# KiCad board radioboard_original.kicad_pcb (continued)
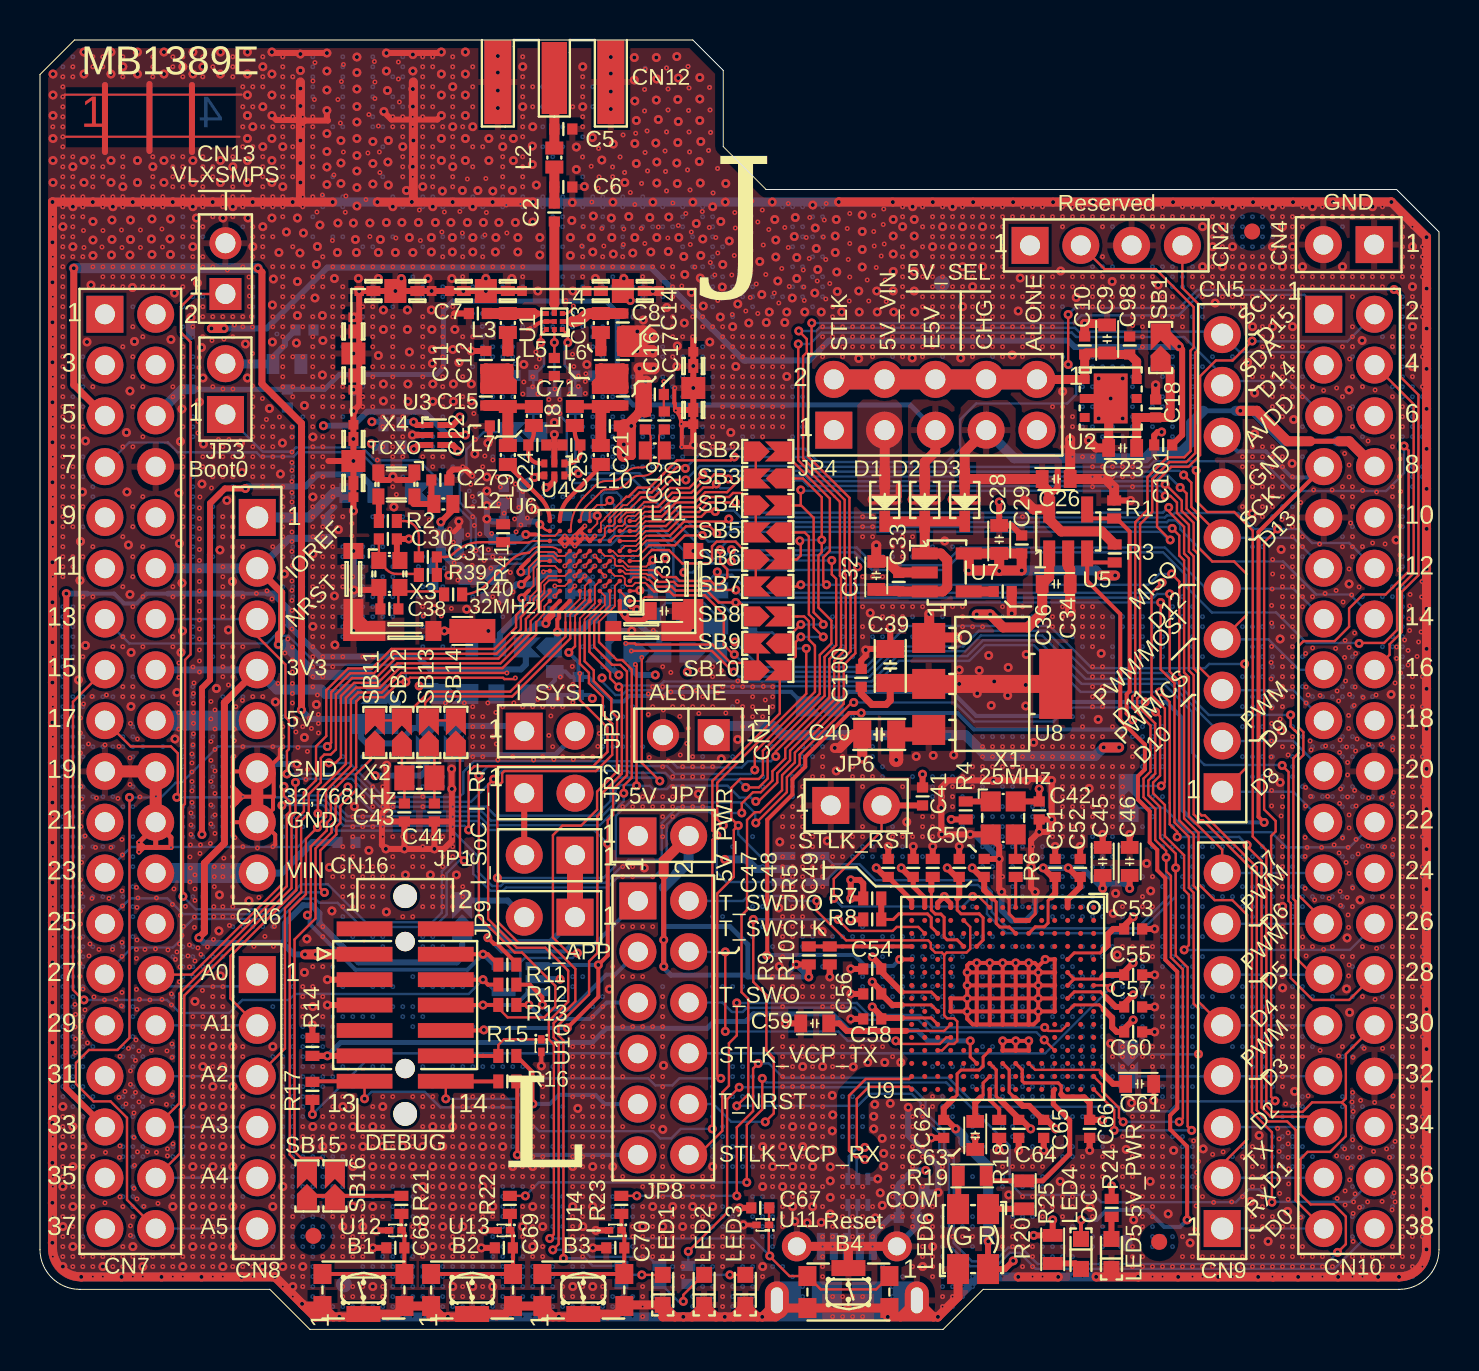
[diagram p0: board, top side]
## Routing (per net, layer and track width the routed paths; a pad name or vN(x,y) marks a point on that pad's centre or on a via; arc(x,y) is an arc through that point) (continued)
  Bottom Layer w0.12: CN10.5 62.46,47.42 59.35,47.42 CN5.9 59.13,47.72 57.23,49.62 51.83,49.62 51.61,49.84 39.08,49.84 38.51,49.27 v1(37.92,49.27) ; 31.58,28.4 31.87,28.1 35.1,28.1 35.41,28.41 36.56,28.41 36.81,28.65 ; 36.81,28.65 36.87,28.65 ; 36.81,28.65 v1(36.8,28.65) ; 31.58,28.41 21.71,28.41 21.17,27.88 21.17,26.81 20.98,26.62 17.18,26.62 15.48,28.33 v1(14.45,28.33)
PA12: length 99.8
  Top Layer w0.09: 24.82,35.36 25.05,35.59 25.05,35.62 25.23,35.8 25.23,36.15 U6.A9
  Top Layer w0.12: v1(37.95,49.92) 38.35,49.52 38.35,48.85 38.17,48.66 38.17,43.56 38.74,42.98 40.25,41.48 40.25,37.79 40.3,37.73 40.3,34.01 39.72,33.43 39.72,31.48 37.27,29.04 37.27,28.55 36.64,27.91 36.64,27.45 36.05,26.86 35.66,26.86 35.1,26.3 v1(35.1,25.82) ; v1(13.9,25.8) 13.9,26.87 15.3,28.27 15.3,31.58 15.81,32.09 17,32.09 17.98,33.06 23.13,33.06 24.82,34.75 24.82,35.36
  Bottom Layer w0.12: CN10.3 63.55,48.88 60,48.88 CN5.10 58.98,49.89 51.95,49.89 51.77,50.08 38.98,50.08 38.81,49.92 37.95,49.92 v1(37.95,49.92) ; v1(35.1,25.82) 33.89,25.82 33.6,26.11 31.89,26.11 31.1,25.33 31.1,23.64 30.94,23.48 29.42,23.48 28.28,22.33 23.21,22.33 23.04,22.17 22.62,22.17 21.9,22.88 21.9,23.66 20.62,24.94 14.76,24.94 v1(13.9,25.8)
PA13: length 57
  Top Layer w0.12: v1(13.38,20.71) 13.54,20.88 13.54,24.15 14.34,24.95 14.34,25.33 14.55,25.53 14.55,26.84 15.81,28.11 15.81,31.4 16.02,31.61 17.2,31.61 17.96,32.38 v1(18.3,32.38) 18.51,32.58 23.16,32.58 23.22,32.52 23.72,32.52 v2(23.78,32.57) ; v2(25.75,36.68) U6.B8
  Top Layer w0.2: R11.1 22.4,18.76 v1(22.16,18.76) CN16.4
  Signal Layer 1 w0.09: 24.45,35.37 v2(25.75,36.68)
  Signal Layer 1 w0.12: v2(23.77,32.57) 23.77,34.7 24.45,35.37
  Bottom Layer w0.12: v1(18.3,32.38) 18.3,32.92 17.99,33.24 13.86,33.24 12.42,34.68 11.73,34.68 11.35,34.3 4.47,34.3 CN7.13
  Bottom Layer w0.2: U16.5 22.75,18.16 v1(22.16,18.76) 21.38,17.98 15.78,17.98 13.49,20.27 13.49,20.6 v1(13.38,20.71)
PA14: length 68.8
  Top Layer w0.09: U6.A4 28,36.27 27.24,35.51 27.24,35.36
  Top Layer w0.12: v1(26.88,18.82) 26.43,18.82 25.65,19.6 25.65,24.71 26.13,25.19 27.06,25.19 27.86,25.99 27.86,26.89 28.86,27.89 28.86,30.61 28.58,30.9 28.58,31.54 27.7,32.42 27.7,32.95 27.24,33.41 27.24,35.36 ; CN7.15 1.65,31.38 1.65,16.97 2.2,16.42 v1(2.2,16.47)
  Top Layer w0.2: R12.1 22.41,17.24 v1(22.16,17.49) CN16.6
  Bottom Layer w0.12: 3.25,32.93 CN7.15 ; v1(26.88,18.82) 26.64,18.57 24.25,18.57 24.02,18.35 24.02,17.34 23.55,16.86 U16.4 22.78,16.86 v1(22.16,17.49) 21.44,16.77 12.75,16.77 12.45,16.47 10.12,16.47 9.47,15.82 7,15.82 6.35,16.47 v1(2.2,16.47)
PA15: length 62.6
  Top Layer w0.09: 27.72,35.36 27.72,35.42 28.5,36.2 U6.B3
  Top Layer w0.12: v1(28.39,24.29) 28.39,25.46 28.66,25.72 28.66,27.01 29.36,27.71 29.36,32.9 29.22,33.04 29.22,33.04 29.03,33.23 28.62,33.23 27.72,34.13 27.72,35.36 ; CN7.17 4.54,29.15 6.55,29.15 6.89,28.81 6.89,26.66 v1(6.84,26.61)
  Top Layer w0.2: v1(28.39,24.29) 28.39,18.69 v1(27.92,18.22) 27.92,16.62 v1(26.37,15.07) ; CN16.10 22.2,14.95
  Bottom Layer w0.12: v1(28.39,24.29) 27.71,24.97 22.34,24.97 21.89,25.42 15.29,25.42 15.15,25.56 14.25,26.46 12.5,26.46 12.35,26.61 v1(6.84,26.61)
  Bottom Layer w0.2: v1(22.2,14.97) 22.3,15.07 v1(26.37,15.07) ; v1(27.92,18.22) 24.95,18.22 U16.1
PB0: length 58.5
  Top Layer w0.12: v1(56.08,27.18) 56.26,27.36 56.26,31.04 55.59,31.71 55.59,36.82 v1(56.12,37.35) ; v2(26.75,38.67) U6.F6
  Signal Layer 1 w0.12: v1(33.87,37.88) 33.87,38.32 32.42,39.78 28.28,39.78 27.73,39.22 27.3,39.22 v2(26.75,38.67)
  Bottom Layer w0.12: SB30.2 56.08,27.17 ; 22.6,37.7 SB20.1 22.8,37.72 23.36,38.28 24.18,38.28 25.12,39.22 28.55,39.22 29.23,39.9 30.85,39.9 31.68,39.07 31.68,37.57 31.82,37.43 31.88,37.43 31.88,37.42 32.95,37.42 33.05,37.53 33.53,37.53 v1(33.87,37.88) 34.02,37.73 34.61,37.73 35.52,36.83 55.59,36.83 56.11,37.35 v1(56.12,37.35)
PB0_VDD_TCXO: length 5.6
  Top Layer w0.3: v1(20.05,40.38) 20.65,40.97 L12.2
  Bottom Layer w0.3: SB20.2 21.02,38.22 20.68,38.22 20.05,38.86 C79.2 ; C79.2 C77.1 v1(20.05,40.38) ; C79.2 19.65,38.47 C97.2
PB1: length 48.5
  Top Layer w0.12: v2(27,32.8) 27,31.47 28.38,30.09 28.38,28.87 27.67,28.16 21.73,28.16 21.44,27.88 v1(21.44,24.97) ; v1(12.1,26.2) 12.1,22.26 7.58,17.74 CN7.28 ; v2(26.25,38.17) U6.E7
  Signal Layer 1 w0.12: v2(26.25,38.17) 26.05,37.97 26.05,36.97 26.95,36.07 26.95,32.85 v2(27,32.8)
  Bottom Layer w0.12: v1(12.1,26.2) 12.09,26.21 12.09,26.22 14.15,26.22 15.19,25.18 21.23,25.18 v1(21.44,24.97) ; CN7.28 6.38,17.15 10.28,17.15 CN8.1
PB2: length 39.8
  Top Layer w0.09: U6.D8 25.75,38.17 25.03,38.17 24.86,38.01 24.86,36.97 24.51,36.61 24.51,36.41 24.45,36.35
  Top Layer w0.12: 24.45,36.35 23.81,35.71 23.81,35.11 22.73,34.02 17.58,34.02 16.6,33.05 15.41,33.05 14.32,31.96 14.32,29.67 13.81,29.15 13.81,27.46 13.2,26.85 13.2,25.91 12.82,25.53 12.82,21.96 9.52,18.66 9.52,16.54 CN8.2
  Bottom Layer w0.12: CN7.30 CN8.2 10.87,15.2
PB3: length 55.7
  Top Layer w0.09: U6.C1 29.68,37.6 30.26,37.6 30.38,37.48 30.47,37.48
  Top Layer w0.12: 36.07,35.82 SB8.1 35.7,35.65 35,36.35 v1(34.8,36.35) 33.94,36.35 33.35,36.94 31.79,36.94 31.6,37.14 30.81,37.14 30.47,37.48 ; v1(57.94,13.77) 57.94,16.05 57.7,16.29 57.7,21.84 57.46,22.08 57.46,24.64 56.74,25.36 56.74,32.31 56.05,33 v1(56.05,36.35)
  Bottom Layer w0.12: v1(57.94,13.77) 57.92,13.75 SB31.1 ; v1(34.8,36.35) v1(56.05,36.35)
PB4: length 55.8
  Top Layer w0.09: U6.C2 28.75,37.17 28.75,36.17 27.96,35.38 27.96,35.36
  Top Layer w0.12: v1(29.2,26.81) 29.2,27.19 29.6,27.58 29.6,33 29.12,33.47 28.85,33.47 27.96,34.36 27.96,35.36 ; v1(12.2,27.15) 12.2,26.67 12.51,26.37 12.51,25.89 12.34,25.72 12.34,22.16 6.97,16.79 6.97,11.31 CN7.34
  Bottom Layer w0.12: v1(29.2,26.81) 29.2,26.41 27.99,25.21 22.44,25.21 21.99,25.66 15.39,25.66 14.35,26.7 12.6,26.7 12.2,27.1 v1(12.2,27.15) ; 10.89,10.1 CN8.4 CN7.34
PB5: length 55.9
  Top Layer w0.09: U6.D2 29.14,37.92 29.28,37.78 30.33,37.78 30.39,37.72 30.47,37.72
  Top Layer w0.12: v1(56.5,36.77) 56.5,32.89 56.98,32.41 56.98,25.45 57.7,24.73 57.7,22.18 57.94,21.94 57.94,16.39 CN9.5 ; v1(34.8,36.97) 33.66,36.97 33.45,37.18 31.89,37.18 31.7,37.38 30.91,37.38 30.57,37.72 30.47,37.72
  Bottom Layer w0.12: CN9.5 CN10.29 ; v1(34.8,36.97) 35.18,36.59 55.69,36.59 55.87,36.77 v1(56.5,36.77)
PB6: length 9.5
  Top Layer w0.09: U6.E1 30.05,38.42 30.47,38.84
  Top Layer w0.12: SB7.2 35.8,38.4 SB6.1 35.67,38.5 34.78,39.39 33.85,39.39 33.61,39.15 33.61,38.46 33.45,38.3 32.12,38.3 31.45,38.97 30.59,38.97 30.47,38.84
PB7: length 12.2
  Top Layer w0.12: v2(29.3,34.3) 29.75,34.3 29.8,34.24 33.63,34.24 34.55,33.32 35.27,33.32 35.65,32.95 SB10.1 35.9,34.2 SB9.2 ; v2(28.25,37.17) U6.C3
  Signal Layer 1 w0.12: v2(28.25,37.17) 28.8,36.63 28.8,34.8 v2(29.3,34.3)
PB8: length 59.2
  Top Layer w0.09: 30.36,37.24 30.27,37.33 29.78,37.33 29.62,37.17 29.35,37.17 29.25,37.27 29.25,37.55 29.12,37.67 28.75,37.67 U6.D3
  Top Layer w0.12: CN10.27 63.65,17.74 62.8,18.6 62.8,21.42 62.69,21.52 62.69,28.56 62.95,28.82 62.95,29.76 62.77,29.94 62.76,29.94 62.55,30.15 v1(62.55,30.72) ; 30.36,37.24 30.63,36.98 ; v1(34.73,33.75) 34.7,33.72 34.2,34.22 34.2,35.75 33.25,36.7 31.7,36.7 31.5,36.9 30.71,36.9 30.63,36.98
  Bottom Layer w0.12: v1(34.73,33.75) 35.6,32.88 41.39,32.88 42.66,34.15 46.17,34.15 46.96,34.93 50.31,34.93 52.42,32.82 56.35,32.82 58.45,30.72 v1(62.55,30.72) ; CN9.6 CN10.27
PB9: length 112.2
  Top Layer w0.09: U6.C4 27.75,37.17 27.75,36.3 27,35.55 27,35.36
  Top Layer w0.12: v1(25.65,3.97) 25.94,4.26 25.94,14.35 25.69,14.6 25.69,15.32 26.77,16.4 26.77,18.02 25.48,19.32 23.94,19.32 22.87,20.39 v1(22.87,22.57) 22.87,27.13 23.11,27.37 23.11,27.81 23.22,27.92 27.8,27.92 28.62,28.73 28.62,30.28 28.15,30.75 28.15,31.62 27.45,32.32 27.45,32.83 27,33.29 27,35.36 ; v1(35.8,25.33) 35.8,25.33 35.82,25.33 37.35,26.87 37.35,27.61 37.99,28.25 37.99,28.74 39.73,30.47 40.6,31.35 v1(40.7,31.35) ; v1(57.23,18.97) 57.46,19.21 57.46,21.74 57.22,21.98 57.22,23.71 56.26,24.67 56.26,26.22 55.67,26.81 55.67,27.34 56.02,27.69 56.02,30.65 v1(55.8,30.88)
  Bottom Layer w0.12: v1(57.23,18.97) 65.51,18.97 66.75,20.21 CN10.26 ; R35.1 30.9,3.17 30.45,3.62 27.52,3.62 27.17,3.97 v1(25.65,3.97) ; v1(55.8,30.88) 55.02,30.88 54.8,31.09 51.39,31.09 50.7,30.39 46.71,30.39 45.75,31.35 v1(40.7,31.35) ; v1(35.8,25.33) 35.77,25.35 35.77,25.8 35.23,26.35 29.48,26.35 28.8,25.67 28.8,23.2 28.18,22.57 v1(22.87,22.57)
PB10: length 78.3
  Top Layer w0.09: 29.17,41.47 28.25,40.56 28.25,40.53 28.05,40.34 28.05,39.98 U6.H4
  Top Layer w0.12: 29.17,41.47 29.33,41.63 29.43,41.63 29.89,42.09 30.49,42.09 31.19,42.79 31.19,42.79 31.86,43.46 34.56,43.46 v1(34.73,43.62) ; v1(68.23,44.17) 68.45,43.95 68.45,37.9 67.3,36.75 66.17,36.75 65.48,36.05 65.48,35.14 64.75,34.42 63.19,34.42 62.95,34.18 62.95,30.1 63.19,29.86 63.19,28.72 62.93,28.46 62.93,21.73 64.21,20.45 CN10.25
  Bottom Layer w0.12: CN9.7 CN10.25 ; v1(68.23,44.17) 68.23,42.82 67.33,41.92 62.65,41.92 61.17,43.41 55.73,43.41 55.45,43.13 38.83,43.13 38.33,43.62 v1(34.73,43.62)
PB11: length 133.4
  Top Layer w0.09: 29.14,40.93 29.25,41.03 29.51,41.03 29.95,41.47 ; 29.14,40.94 28.75,40.55 28.75,40.3 28.62,40.17 28.37,40.17 28.25,40.05 28.25,39.67 U6.G4
  Top Layer w0.12: v1(64.9,3.85) 65.31,4.26 65.31,5.64 64.7,6.25 63.55,6.25 63.04,6.76 63.04,8.51 63.4,8.88 64.52,8.88 65.31,9.66 65.31,11.15 65.12,11.35 ; 29.95,41.47 30.09,41.61 30.71,41.61 31.58,42.48 v1(32.3,42.48) ; CN10.30 65.31,13.77 65.31,11.54 65.12,11.35 ; v1(34.97,12.1) 34.36,11.5 34.36,5.84 v1(32.42,3.9) ; v1(57.83,42.95) 57.83,41.42 58.37,40.88 59.73,40.88 60.65,39.94 60.65,24.64 61.33,23.96 61.33,11.19 61.65,10.88 63.15,10.88 63.62,11.35 65.12,11.35
  Bottom Layer w0.12: R34.1 v1(32.42,3.9) ; v1(32.3,42.48) 32.99,43.17 38.45,43.17 38.73,42.89 55.55,42.89 55.83,43.17 57.61,43.17 v1(57.83,42.95) ; v1(34.97,12.1) 43.61,12.1 44.29,11.42 44.29,10.85 45.22,9.92 45.22,9.07 45.7,8.59 45.7,4.31 46.61,3.4 47.74,3.4 48.43,4.09 49.07,4.09 49.89,3.27 64.32,3.27 v1(64.9,3.85)
PB12: length 70.4
  Top Layer w0.12: 56.5,26.32 56.5,25.26 56.88,24.88 v1(56.88,24.63) ; v1(56,31.88) 56.5,31.38 56.5,26.32 ; v1(60.37,24.22) 60.37,24.15 61.09,23.43 61.09,11.09 61.55,10.63 63.71,10.63 64.2,10.15 ; v2(26.75,38.17) U6.E6
  Signal Layer 1 w0.12: v1(28.11,32.58) 28.12,32.59 28.12,33.15 27.23,34.05 27.23,36.15 26.45,36.92 26.45,37.87 v2(26.75,38.17)
  Bottom Layer w0.12: v1(28.11,32.58) 28.11,32.4 28.78,31.72 29.12,31.72 29.36,31.96 31.1,31.96 31.3,32.16 41.69,32.16 42.96,33.43 46.47,33.43 47.26,34.21 49.71,34.21 52.05,31.88 v1(56,31.88) ; CN9.3 CN10.33 ; v1(60.37,24.22) 59.97,24.63 v1(56.88,24.63)
PB13: length 59.7
  Top Layer w0.09: 24.45,36.01 24.68,36.25 24.68,36.53 25.04,36.89 25.04,37.29 25.42,37.67 26.25,37.67 U6.D7
  Top Layer w0.12: 24.45,36.01 24.05,35.61 24.05,35.01 22.83,33.78 17.68,33.78 16.7,32.81 15.51,32.81 14.56,31.86 14.56,29.33 v1(14.38,29.15) ; CN7.38 4.35,6.48 4.35,10.58 3.53,11.4 2.67,11.4 1.8,12.27 1.8,13.32 2.45,13.97 3.88,13.97 4.47,14.57 v1(4.47,26.6)
  Bottom Layer w0.12: v1(4.47,26.6) 6.05,26.6 6.79,27.34 7.09,27.34 8.9,29.15 v1(14.38,29.15) ; CN7.38 CN8.6
PB14: length 60.7
  Top Layer w0.12: CN7.36 7,8.79 7,10.99 7.21,11.21 7.21,16.69 12.58,22.06 12.58,25.63 12.78,25.82 v1(12.78,27.35) ; 30.95,27.37 30.95,27.47 ; 30.95,27.47 30.1,28.32 v2(30.1,33.6) ; 30.95,27.47 v1(31,27.42) ; U6.C6 v2(27.25,37.67)
  Signal Layer 1 w0.12: v2(27.25,37.67) 27.73,37.2 27.73,36.95 28.23,36.45 28.23,34.47 29.1,33.6 v2(30.1,33.6)
  Bottom Layer w0.12: v1(31,27.42) 30.83,27.59 29.67,27.59 28.95,27.59 28.54,27.17 28.54,26.43 27.79,25.69 22.77,25.69 22.32,26.14 16.98,26.14 15.59,27.53 12.91,27.53 ; CN7.36 CN8.5
PB15: length 92.7
  Top Layer w0.09: U6.B4 28.25,36.67 28.25,36.22 27.48,35.45 27.48,35.36
  Top Layer w0.12: v1(62.12,28.2) 62.45,27.88 62.45,21.42 62.55,21.32 62.55,17.57 63.65,16.47 65.48,16.47 CN10.28 ; v1(26.18,3.56) 26.18,14.45 25.93,14.7 25.93,15.22 27.46,16.75 27.46,18.4 27.87,18.81 27.87,25.66 28.1,25.89 28.1,26.79 29.1,27.79 29.1,31.98 v1(28.95,32.13) 28.52,32.56 28.52,32.85 27.48,33.88 27.48,35.36
  Bottom Layer w0.12: R36.1 27.64,3.17 27.26,3.56 v1(26.18,3.56) ; 62.12,28.22 58.24,28.22 57.62,28.84 57.62,30.88 56.22,32.28 52.09,32.28 49.92,34.45 47.16,34.45 46.37,33.67 42.86,33.67 41.59,32.4 31.2,32.4 31,32.2 29,32.2
PC0: length 40.7
  Top Layer w0.09: U6.F2 29.25,39.17 29.81,39.17 30.32,39.69 30.47,39.69
  Top Layer w0.12: v1(34.45,40.53) 34.32,40.39 32.21,40.39 31.51,39.69 30.47,39.69
  Bottom Layer w0.12: v1(34.45,40.53) 34.62,40.36 56.37,40.36 56.46,40.46 56.8,40.46 57.03,40.22 57.03,40 58.64,38.4 62.17,38.4 63.83,36.75 65.52,36.75 CN10.14
PC1: length 51.3
  Top Layer w0.09: 30.47,39.45 30.34,39.45 29.81,38.92 U6.F1
  Top Layer w0.12: CN9.8 59.13,23.99 57.46,25.65 57.46,32.61 57.22,32.85 57.22,38.46 56.98,38.7 56.98,39.7 v1(56.63,40.05) ; v1(33.85,39.8) 33.5,40.15 32.31,40.15 31.6,39.45 30.47,39.45
  Bottom Layer w0.12: v1(33.85,39.8) 34.17,40.12 36.95,40.12 36.95,40.12 56.56,40.12 v1(56.63,40.05) ; 59.12,22.82 CN9.8 CN10.23
PC2: length 48.7
  Top Layer w0.12: CN5.1 60.31,28.07 60.31,33.21 v1(60.25,33.27) ; U6.D4 v2(28.25,37.67)
  Signal Layer 1 w0.12: v1(34.75,34.38) 32.08,34.38 29.95,36.5 29.42,36.5 v2(28.25,37.68)
  Bottom Layer w0.12: CN5.1 62.68,26.88 CN10.21 ; v1(60.25,33.27) 58.48,33.27 58.27,33.06 52.61,33.06 50.5,35.17 43.35,35.17 41.3,33.12 36.01,33.12 v1(34.75,34.38)
PC3: length 109.5
  Top Layer w0.12: U6.D5 v2(27.75,38.17) ; v1(40.9,38.13) 40.78,38.01 40.78,33.81 40.2,33.23 40.2,31.28 37.95,29.03 37.76,28.84 37.76,28.35 37.11,27.71 37.11,26.96 36.01,25.86 35.75,25.86 35.36,25.47 35.36,20.97 35.09,20.7 35.09,16.86 35.42,16.52 35.42,11.75 v1(34.85,11.17)
  Signal Layer 1 w0.12: v1(32.2,37.85) 31.73,38.32 31.73,38.67 31.41,38.98 28.56,38.98 v2(27.75,38.17)
  Bottom Layer w0.12: CN10.38 64.74,3.03 49.8,3.03 48.99,3.83 48.51,3.83 47.84,3.16 46.51,3.16 45.46,4.22 45.46,8.49 44.98,8.97 44.98,8.98 44.98,9.82 44.05,10.75 44.05,11.32 43.6,11.77 41.5,11.77 40.9,11.17 v1(34.85,11.17) ; SB18.2 22.2,44.88 21.33,44 21.33,42.99 21,42.66 21,41.35 21.8,40.55 21.8,39.13 22.17,38.76 23.95,38.76 24.9,39.71 28.19,39.71 28.48,40 28.48,40.72 28.08,41.12 28.08,41.7 28.22,41.84 28.85,41.84 29.08,41.62 29.08,40.47 29.4,40.15 31,40.15 32.2,38.95 v1(32.2,37.85) 32.65,37.85 33.1,38.31 34.08,38.31 34.41,37.97 40.83,37.97
PC4: length 70
  Top Layer w0.09: U6.F3 28.65,38.92 28.9,38.67 29.93,38.67 30.46,39.21 30.47,39.21
  Top Layer w0.12: 56.58,39.53 56.6,39.5 ; v1(26.92,42.8) 26.62,42.8 26.52,42.7 U4.6 ; v1(60.62,49.42) 59.65,48.45 58.81,48.45 58.02,47.66 58.02,43.72 57.43,43.13 56.58,43.13 55.87,42.42 55.87,40.13 v1(56.53,39.48) ; v1(33.12,39.7) 32.25,39.7 31.76,39.21 30.47,39.21
  Top Layer w0.3: U3.6 20.65,45.22 21.02,45.6
  Signal Layer 2 w0.12: 21.02,45.6 21.33,45.9 25.9,45.9 26.92,44.88 v1(26.92,42.8)
  Bottom Layer w0.12: CN10.2 65.39,49.41 60.64,49.41 v1(60.62,49.42) ; v1(56.53,39.48) 56.45,39.48 56.05,39.88 34.51,39.88 34.02,39.4 33.43,39.4 v1(33.12,39.7) ; R27.1 26.77,42.95 v1(26.92,42.8) 26.94,42.82 29.98,42.82 33.1,39.7
  vias: v1(21,45.62)
PC5: length 75.1
  Top Layer w0.12: v1(65.98,34.3) 66,34.32 67.23,34.32 67.87,34.97 67.87,36.99 68.7,37.81 68.7,46.27 CN10.4 ; v2(27.75,38.67) U6.E4
  Signal Layer 1 w0.12: v1(34.59,38.99) 34.98,38.59 34.98,38.07 34.09,37.18 33.44,37.18 31.96,38.66 31.96,38.77 31.51,39.22 28.32,39.22 27.77,38.67 v2(27.75,38.67)
  Bottom Layer w0.12: 65.98,34.32 63.35,34.32 61.83,35.85 58.61,35.85 57.3,37.16 57.3,37.73 56.17,38.86 46.15,38.86 45.27,37.97 41.63,37.97 40.74,38.86 39.43,38.86 39.29,38.71 34.86,38.71 v1(34.59,38.99) 34.15,38.55 33.63,38.55 29.67,42.5 27.42,42.5 27.24,42.32 26.73,42.32 26.35,42.7 26.35,45.35 R28.1
PC6: length 109
  Top Layer w0.09: U6.G2 29.8,39.42 30.31,39.93 30.47,39.93
  Top Layer w0.12: v1(61.77,11.42) 61.57,11.62 61.57,24.67 61.8,24.9 61.8,25.42 61.23,26 61.23,39.35 v1(61.9,40.02) ; 30.47,39.93 31.41,39.93 32.11,40.63 33.07,40.63 33.33,40.9 v1(33.77,40.9) ; R23.2 v1(29.85,6.67) ; v1(35.92,13.3) 35.67,13.04 35.67,10.91 34.85,10.1 v1(34.85,6.67)
  Bottom Layer w0.12: v1(33.77,40.9) 33.82,40.94 34.71,40.94 35.05,40.6 56.27,40.6 56.36,40.7 56.62,40.7 56.75,40.82 59.92,40.82 60.73,40.02 v1(61.9,40.02) 62.92,40.02 63.62,39.32 65.48,39.32 CN10.12 ; v1(29.85,6.67) v1(34.85,6.67) ; v1(35.92,13.3) 36.45,13.3 37.17,12.58 45.43,12.58 46.88,11.13 53.99,11.13 54.23,10.9 56.5,10.9 57,11.4 61.77,11.4 v1(61.77,11.42)
PC13: length 51.3
  Top Layer w0.09: U6.C7 26.25,37.17 v2(25.75,37.17)
  Top Layer w0.12: SB15.2 13.35,7.88 12.49,8.73 12.49,20.95 13.3,21.76 13.3,24.53 v1(13.88,25.1) 13.88,25.2 14.3,25.63 14.3,26.94 15.55,28.18 15.55,31.49 15.91,31.85 17.1,31.85 18.07,32.82 23.23,32.82
  Signal Layer 1 w0.09: 24.45,35.88 v2(25.75,37.17)
  Signal Layer 1 w0.12: v2(23.35,32.82) 23.5,32.97 23.5,34.92 24.45,35.88
  Bottom Layer w0.12: v1(13.88,25.1) 12.9,24.12 4.55,24.12 CN7.23
PC14: length 21.1
  Top Layer w0.12: 16.98,29.35 16.53,28.9 16.53,28.49 15.8,27.76 15.8,27.3 15.81,27.3 15.81,26.96 15.02,26.17 15.02,25.33 14.82,25.13 14.82,24.75 14.02,23.95 14.02,22.05 v1(14.22,21.85) ; 14.27,21.9 14.3,21.88
  Bottom Layer w0.12: CN7.25 4.52,21.55 6.38,21.55 7.16,20.77 11.91,20.77 12.99,21.85 v1(14.22,21.85)
PC15: length 29
  Top Layer w0.12: v1(21.21,23.44) 21.01,23.64 21.01,29.14 SB14.1
  Bottom Layer w0.12: CN7.27 4.6,19.1 6.65,19.1 7.12,19.57 7.12,20 7.65,20.52 12,20.52 13.02,21.54 13.76,21.54 13.97,21.33 14.88,21.33 16.09,20.12 19.73,20.12 20.34,20.74 20.34,22.81 20.97,23.44 v1(21.21,23.44)
PH3: length 27.8
  Top Layer w0.09: v1(28.5,41.45) 28.27,41.22 27.87,41.22 27.49,40.85 27.49,40.43 U6.J5
  Bottom Layer w0.12: v1(28.5,41.45) 28.73,41.22 28.73,39.77 28.42,39.47 25,39.47 24.05,38.52 22.07,38.52 21.55,39.03 21.55,40.45 20.15,41.85 SB19.1 19.95,42.45 18.95,43.45 16.76,43.45 16.11,44.1 12.8,44.1 12.59,43.89 11.13,43.89 JP3.1
RFI_N: length 7.7
  Top Layer w0.097: C19.2 30.46,44.81 arc(30.52,44.73) 30.54,44.62 30.54,44.5 arc(30.49,44.24) 30.34,44.01 L11.1 30.37,43.85 arc(30.5,43.67) 30.54,43.45 arc(30.52,43.35) 30.46,43.26 30.42,43.22 arc(30.29,43.13) 30.12,43.1 29.91,43.1 arc(29.58,43.03) 29.3,42.85 ; 29.3,42.85 29.04,42.58 arc(28.86,42.47) 28.66,42.42 28.33,42.42 arc(28.03,42.37) 27.78,42.2 27.25,41.67 arc(26.73,40.89) 26.55,39.97 U6.H7 ; 29.3,42.85 29.3,42.85 ; 29.3,42.85 arc(29.3,42.85) 29.3,42.85
RFI_P: length 7.2
  Top Layer w0.097: C20.1 31.04,44.81 arc(30.98,44.73) 30.96,44.62 30.96,44.5 arc(31.01,44.24) 31.16,44.01 L11.2 31.13,43.85 arc(31,43.67) 30.96,43.45 arc(30.91,43.19) 30.76,42.97 30.72,42.93 ; U6.J6 27.05,40.47 arc(27.12,40.84) 27.33,41.16 28.08,41.9 arc(28.19,41.98) 28.33,42.01 28.66,42 arc(29.02,42.08) 29.34,42.29 29.6,42.55 arc(29.74,42.65) 29.91,42.68 30.12,42.68 arc(30.45,42.74) 30.72,42.93 ; 30.72,42.93 30.72,42.93 ; 30.72,42.93 arc(30.72,42.93) 30.72,42.93
STD_ALONE_5V: length 41.1
  Top Layer w0.5: v1(53.2,29.1) v1(53.98,29.1)
  Signal Layer 2 w0.35: v1(53.2,29.1) v1(53.98,29.1) 53.98,30.6 ; JP4.9 49.86,42.36 51.73,40.5 51.73,36.7 54.35,34.07 54.35,30.97 53.98,30.6 ; 53.98,30.6 53.98,30.64 54.33,31
  Bottom Layer w0.5: 37.14,29.71 46.28,29.71 47.33,28.67 52.77,28.67 v1(53.2,29.1) v1(53.98,29.1) ; 37.14,29.71 37.75,29.71 ; 37.14,29.71 36.67,30.17 34.3,30.17
STLK_LED: length 8.4
  Top Layer w0.25: U9.D15 50.68,11.93 50.68,11.27 51.5,10.45 51.5,8.78 50.15,7.42 R20.2 47.58,7.42 R19.2
STLK_NRST: length 16.1
  Top Layer w0.12: JP6.2 42.09,24.91 39.7,22.52 v1(39.7,21.55) ; U9.J1 46.95,21.65 v1(46.65,21.65)
  Top Layer w0.3: JP6.2 C41.2
  Bottom Layer w0.12: v1(46.65,21.65) 46.14,21.14 40.1,21.14 v1(39.7,21.55)
STLK_SWCLK: length 79
  Top Layer w0.12: U9.A14 53.12,12.22 53.12,11.91 53.96,11.07 53.96,10.58 v1(54.17,10.38) ; v1(56.98,10.38) 57.16,10.56 57.16,18 56.56,18.6 56.56,22.67 56.33,22.91 v1(56.33,23.6) 56.33,23.93 55.78,24.47 55.78,26.02 55.19,26.61 55.19,27.54 55.54,27.89 55.54,30.2 54.63,31.11 54.63,31.64 54.78,31.79 54.78,40.36 55.39,40.97 55.39,42.62 56.38,43.61 57.23,43.61 57.54,43.92 57.54,48.94 57.7,49.1 57.7,51.12 55.8,53.02 53.24,53.02 CN2.2
  Bottom Layer w0.12: v1(54.17,10.38) 56.98,10.38 v1(56.98,10.38) ; U15.4 39.25,23.67 39.66,23.27 40.98,23.27 41.78,22.46 47.01,22.46 47.6,21.88 47.6,20.88 48.42,20.05 54.86,20.05 56.56,21.75 56.56,22.46 56.33,22.7 v1(56.33,23.6)
STLK_SWDIO: length 76.4
  Top Layer w0.12: CN2.4 57.14,52.08 57.94,51.27 57.94,49 57.78,48.84 57.78,43.82 57.33,43.37 56.48,43.37 55.63,42.52 55.63,40.88 55.02,40.27 55.02,31.69 54.87,31.54 54.87,31.21 55.78,30.3 55.78,27.79 55.43,27.44 55.43,26.71 56.02,26.12 56.02,24.57 56.8,23.79 v1(56.8,23.08) 56.8,18.7 57.4,18.1 57.4,10.15 v1(57.6,9.95) ; v1(53.73,9.95) 53.73,10.97 U9.A15
  Bottom Layer w0.12: U15.5 39.25,22.38 39.9,23.02 40.89,23.02 41.69,22.22 46.91,22.22 47.36,21.78 47.36,20.78 48.33,19.81 54.96,19.81 56.8,21.65 v1(56.8,23.08) ; v1(53.73,9.95) v1(57.6,9.95)
STLK_VCP_RX: length 26.1
  Top Layer w0.12: v1(34.85,16.32) 34.85,14.7 34.46,14.31 34.46,12.18 34.12,11.85 34.12,9.92 32.92,8.72 JP8.12 ; v1(50.25,15.1) 50.42,14.92 51.08,14.92 U9.C10
  Bottom Layer w0.12: v1(50.25,15.1) 44.65,15.1 44.03,15.72 41.46,15.72 40.85,16.32 v1(34.85,16.32)
STLK_VCP_TX: length 23.4
  Top Layer w0.12: U9.A7 53.4,17.2 53.52,17.07 v1(53.55,17.07)
  Bottom Layer w0.12: JP8.8 50.28,13.8 v1(53.55,17.07)
T_NRST: length 118.9
  Top Layer w0.12: 36.45,6.07 36.46,6.06 U11.1 ; R15.1 22.92,14.22 23.2,14.5 U10.1 25.45,14.5 ; 25.45,14.5 25.45,15.42 26.42,16.38 26.42,17.92 26.4,17.93 26.4,17.96 25.28,19.08 23.84,19.08 22.42,20.51 22.42,27.24 v1(22.69,27.51) ; 25.45,14.5 25.7,14.25 25.7,4.75 v1(25.49,4.54) ; 36.45,5.22 36.45,3.7 37.48,2.67 B4.3 39.05,2 41.82,2 B4.1 ; v1(35.3,27.1) 35.95,27.1 36.39,27.54 36.39,28.84 39.24,31.68 39.24,33.63 39.82,34.21 39.82,37.53 39.6,37.75 v1(39.6,38.45) ; v1(12.35,27.77) 12.35,28.91 12.45,29.01 12.45,30.45 12.27,30.62 12.27,33.25 10.87,34.66 CN6.3 ; v2(27.25,38.67) U6.F5
  Top Layer w0.2: CN16.12 22.16,13.68 22.16,13.67 R15.1
  Signal Layer 1 w0.12: 34.58,38.15 34.58,38 33.99,37.42 33.54,37.42 32.2,38.76 32.2,38.87 31.61,39.46 28.26,39.46 27.77,38.97 27.55,38.97 v2(27.25,38.67)
  Bottom Layer w0.12: v1(12.35,27.77) 15.69,27.77 17.08,26.38 21.55,26.38 v1(22.69,27.51) 23.1,27.93 29.4,27.93 29.5,27.83 29.57,27.83 29.57,27.83 31.27,27.83 ; v1(39.6,38.45) 39.6,38.45 34.58,38.45 v1(34.58,38.4) ; v1(25.49,4.54) 35.63,4.54 v1(36.5,3.67) ; 31.27,27.82 31.6,27.5 34.9,27.5 v1(35.3,27.1) ; CN7.14 CN6.3
T_NRSTa: length 24
  Top Layer w0.12: v1(35.67,20.5) 35.67,17.38 36.33,16.72 36.33,13.94 36.7,13.57 36.7,10.8 v1(36.27,10.38) ; U9.P3 43.92,20.12 42.85,20.12 42.65,19.92 40.48,19.92 39.9,20.5 v1(39.92,20.5)
  Bottom Layer w0.12: JP8.10 33.68,11.27 34.58,10.38 v1(36.27,10.38) ; v1(35.67,20.5) v1(39.92,20.5)
T_PWR_EN: length 48.7
  Top Layer w0.2: v1(41.08,30.82) 40.48,30.82 38.27,28.62 38.27,28.14 37.63,27.5 37.63,26.75 36.37,25.49 36.37,18.72 v1(36.35,18.7) ; v1(43,18.5) U9.R5 ; v1(54.65,30.48) 54.67,30.48 54.35,30.8 54.35,31.76 54.5,31.91 54.5,39.9 53.85,40.55 R1.2 52.37,40.55 U5.4
  Bottom Layer w0.2: v1(43,18.5) 42.67,18.17 41.27,18.17 40.73,18.72 36.37,18.72 v1(36.35,18.7) ; v1(41.08,30.82) 45.88,30.82 46.71,30 54.18,30 v1(54.65,30.48)
T_PWR_EXT: length 5.2
  Top Layer w0.2: U9.R4 R10.2 R9.2
T_SWCLKa: length 17.5
  Top Layer w0.12: v1(42.8,14.43) 42.8,14.45 42.98,14.27 45.01,14.27 45.33,14.6 U9.M11 ; v1(34.27,14.9) v1(34.27,18.88)
  Bottom Layer w0.12: v1(34.27,14.9) 34.28,14.89 39.93,14.89 40.4,14.43 v1(42.8,14.43) ; v1(34.27,18.88) 32.45,18.88 JP8.4
T_SWDIOa: length 23.5
  Top Layer w0.12: v1(38.85,21.42) 38.85,20.92 40.32,19.45 44.42,19.45 44.55,19.32 44.55,19.06 44.77,18.84 45.11,18.84 45.23,18.72 ; 45.23,18.72 45.23,15.7 45.37,15.55 45.72,15.55 45.87,15.4 45.87,14.42 45.73,14.27 45.44,14.27 45.12,13.95 U9.N12 ; 45.23,18.72 45.34,18.84 46.34,18.84 46.52,19.02 46.52,20.12 U9.L2
  Bottom Layer w0.12: v1(38.85,21.42) 37.52,21.42 37.27,21.67 35.42,21.67 35.17,21.42 JP8.2
T_SWO: length 47
  Top Layer w0.12: R13.1 22.92,16.06 23.39,15.6 25.23,15.6 25.77,16.15 25.77,17.17 24.11,18.84 23.74,18.84 21.95,20.64 v1(21.95,27.7) ; SB8.2 38.22,35.65 38.46,35.41 38.46,34.49 38.73,34.22 38.73,34.2 38.76,34.17 38.76,31.88 35.75,28.87 v1(35.75,27.97)
  Top Layer w0.2: CN16.8 v1(22.16,16.22) 22.16,16.22 R13.1
  Bottom Layer w0.12: v1(21.95,27.7) 22.42,28.17 31.37,28.17 ; v1(35.75,27.97) 35.55,27.77 31.75,27.77 31.37,28.15
  Bottom Layer w0.2: v1(22.16,16.22) 23.78,16.22 24.43,16.86 U16.3
T_SWOa: length 19.5
  Top Layer w0.12: v1(50.23,14.47) U9.D12
  Bottom Layer w0.12: JP8.6 34.13,16.34 34.6,15.88 35.15,15.88 35.36,16.08 40.75,16.08 41.36,15.48 43.93,15.48 44.55,14.86 49.84,14.86 v1(50.23,14.47)
T_VCP_RX: length 61.9
  Top Layer w0.12: SB5.1 38.25,39.85 38.45,39.64 38.45,35.75 38.7,35.51 38.7,35.11 v1(39.18,34.63) ; v1(38.05,34.63) 37.8,34.37 37.8,33.65 37.1,32.95 SB10.2 37,30.8 33.63,27.43 33.63,24.94 33.85,24.72 v1(33.85,24.7) 33.63,24.48 33.63,10.03 v1(33.62,10.02) ; v1(16.23,11.53) CN16.13
  Top Layer w0.2: 13.6,12.4 13.65,12.4 ; 13.65,12.4 13.66,12.41 15.8,12.41 ; 13.65,12.4 R17.2
  Bottom Layer w0.12: v1(38.05,34.63) v1(39.18,34.63) ; v1(33.85,24.7) 33.84,24.69 33.84,22.85 34.33,22.38 U15.1 ; v1(33.62,10.02) 32.05,10.02 31.58,9.55 31.03,9.55 30.67,9.91 24.96,9.91 23.77,11.1 20.02,11.1 19.25,11.88 16.58,11.88 v1(16.23,11.53)
